# Altium PCB ControllerBoardExp.PcbDoc (part 1 of 4) (continued)
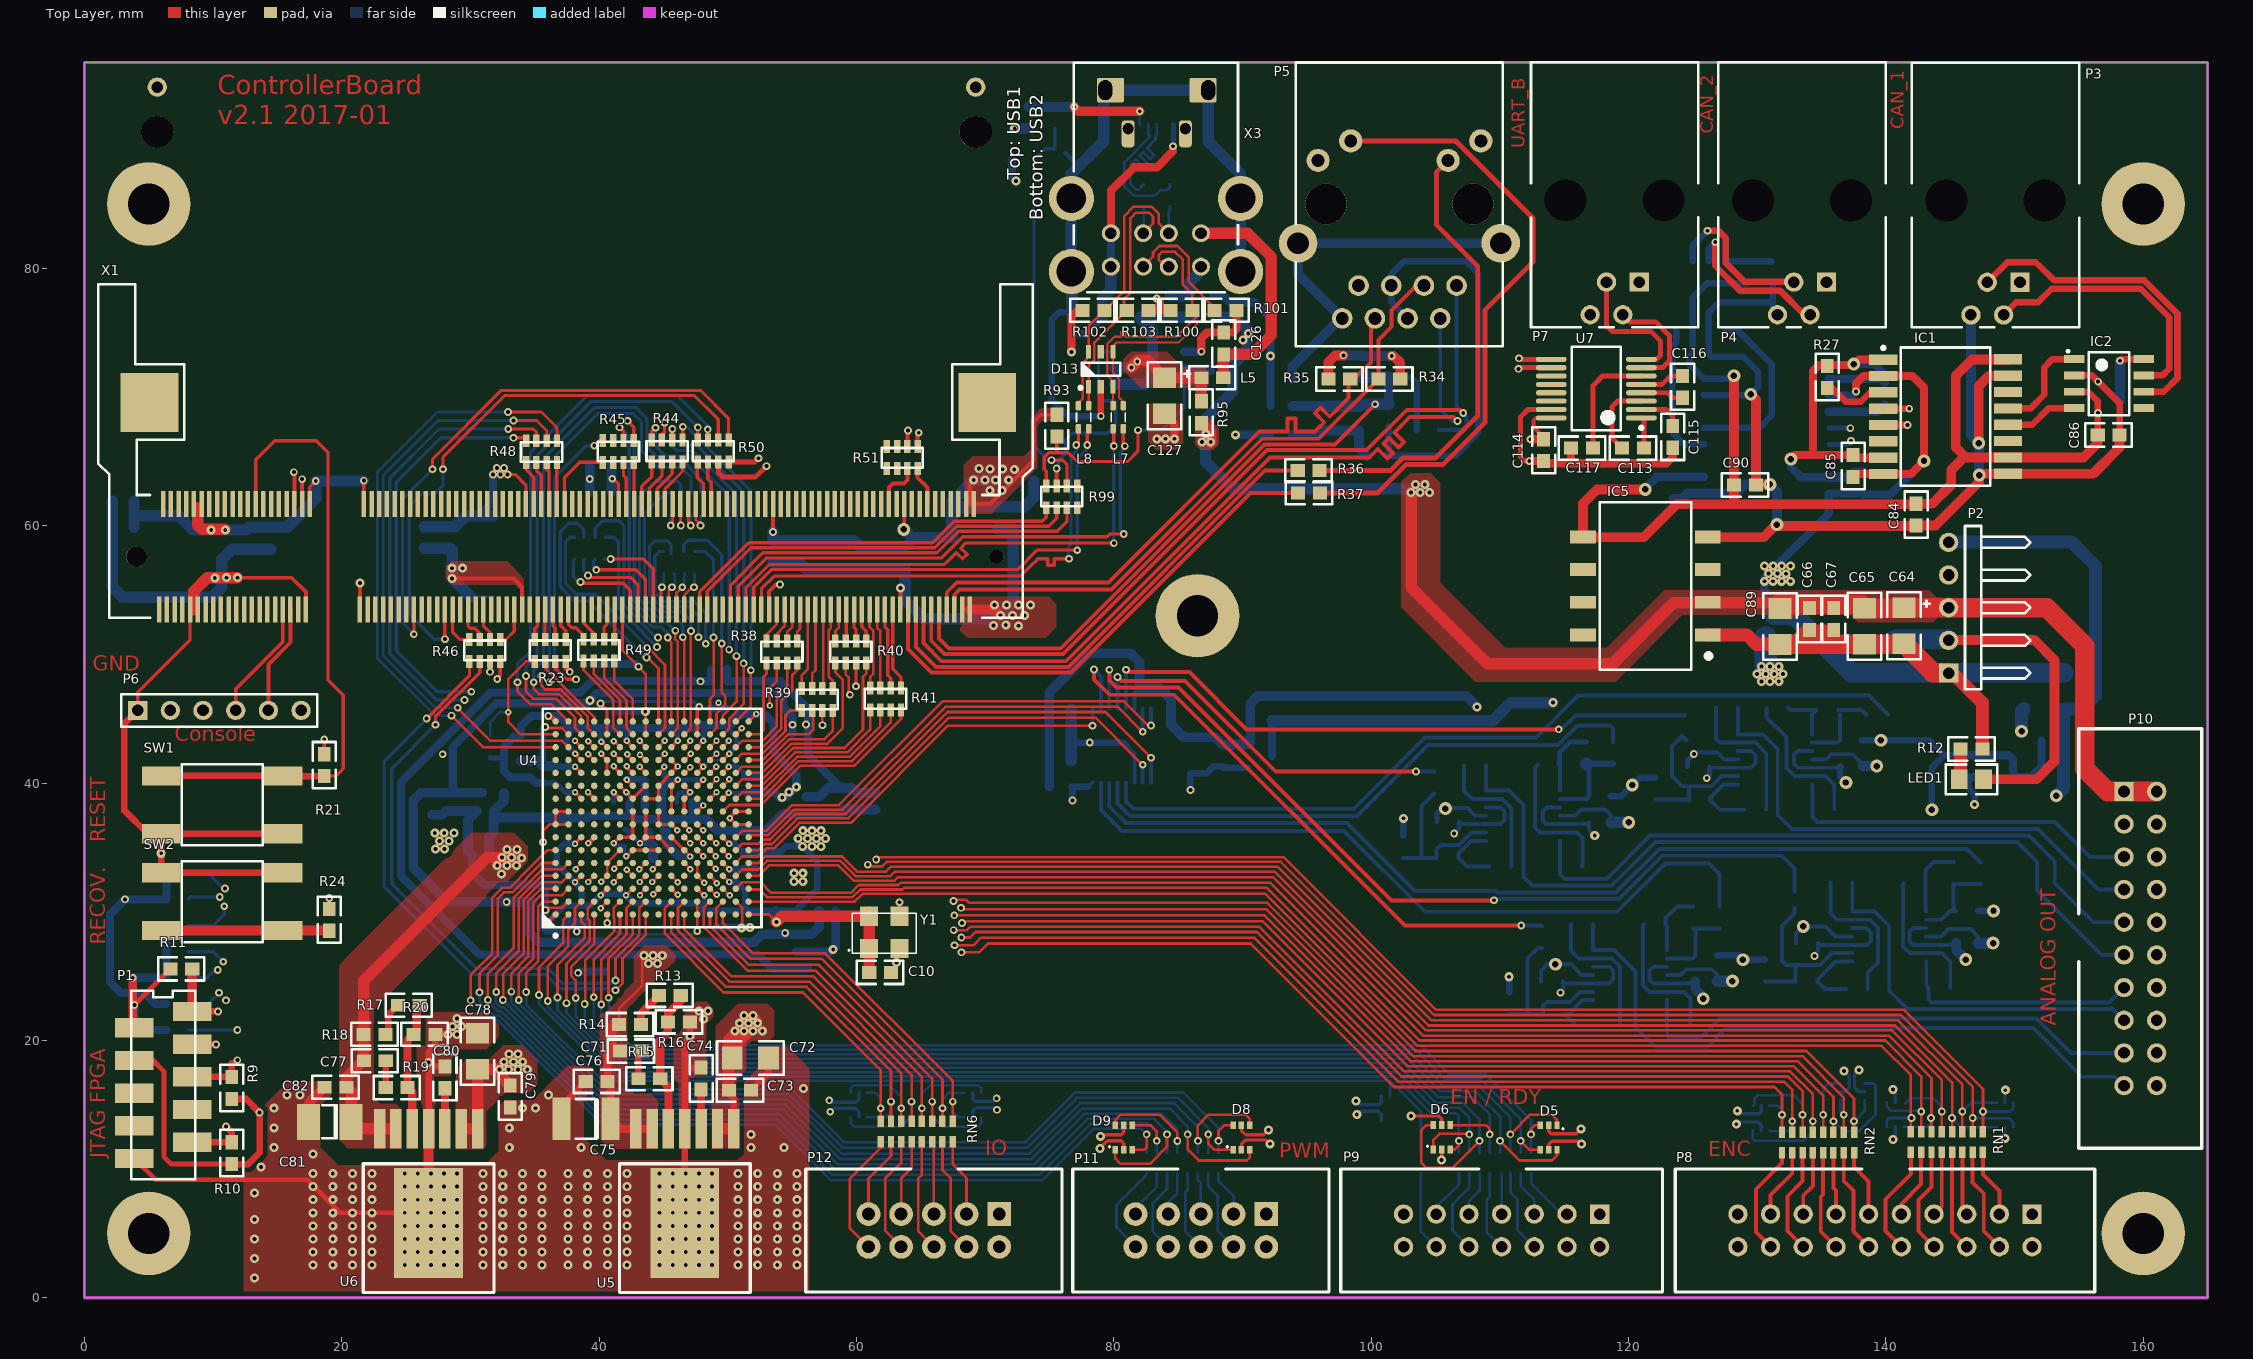
[diagram p0: Top Layer view]
## Components (designator, comment, footprint, x,y, rotation, side; value= is the part's Value field where it differs from the comment) (continued)
D2 "QSBT40-7-F" SOT363 149.25,14.199 r0 bottom
D3 "QSBT40-7-F" SOT363 130.302,13.97 r180 bottom
D4 "QSBT40-7-F" SOT363 137.414,16.002 r270 bottom
D5 "QSBT40-7-F" SOT363 113.792,12.446 r180 top
D6 "QSBT40-7-F" SOT363 105.486,12.471 r0 top
D7 "QSBT40-7-F" SOT363 100.787,14.732 r180 bottom
D8 "QSBT40-7-F" SOT363 89.916,12.446 r0 top
D9 "QSBT40-7-F" SOT363 80.772,12.446 r0 top
D10 "QSBT40-7-F" SOT363 60.198,14.986 r180 bottom
D11 "QSBT40-7-F" SOT363 69.037,14.986 r180 bottom
D12 "TPD2EUSB30DRTR" T_TI_TPD2EUSB30DRTR 75.827,88.939 r0 bottom
D13 "RCLAMP0504S" T_SOT95P285X90-6N 78.994,72.161 r90 top
GND1 "Star GND" NetTieGND 131.039,53.01 r0 bottom net-tie
IC1 "ADuM1301ARW" T_AD_ADuM1300ARW 144.635,68.469 r0 top
IC2 "MCP2551T-I/SN" SOIC127P600X173-8N 157.35,71.044 r0 top
IC3 "ADuM1301ARW" T_AD_ADuM1300ARW 130.713,66.955 r180 bottom
IC4 "MCP2551T-I/SN" SOIC127P600X173-8N 125.61,77.836 r90 bottom
IC5 "NTE0505MC-R" T_MURATA_NTE0505MC-R 121.31,55.321 r180 top
IC6 "TPS2042BD" SOIC127P600X173-8N 82.752,71.617 r180 bottom
L1 "220R@100MHz" 0603_3D 32.614,39.243 r180 bottom
L2 "220R@100MHz" 0603_3D 92.17,71.408 r0 bottom
L3 "220R@100MHz" 0603_3D 92.17,67.065 r0 bottom
L4 "220R@100MHz" 0603_3D 92.17,69.3 r0 bottom
L5 "220R@100MHz" 0603_3D 86.801,71.492 r0 top
L6 "220R@100MHz" 0603_3D 84.404,76.171 r90 bottom
L7 "90R@100MHz" T_MURATA_DLW21HN900SQ2 80.34,68.428 r90 top
L8 "90R@100MHz" T_MURATA_DLW21HN900SQ2 77.648,68.428 r90 top
L9 "33R@100MHz" 0603_3D 76.715,74.892 r90 bottom
LED1 "LED green, Power Supply ok" 0805 145.69,40.289 r0 top
P1 "JTAG" MicroMatch_10PinSMD 8.382,22.25 r0 top
P2 "Power Supply" "Header - 1x5 - H" 144.873,48.545 r90 top
P3 "CAN1 Connector RJ10" 95009-2447 148.514,95.987 r180 top
P4 "CAN2 Connector RJ10" 95009-2447 133.477,96 r180 top
P5 "J00-0065NL" T_PULSE_J00-0065NL 110.134,95.891 r180 top
P6 "Header Console TTL232R-3V3" "Header - 1x6 - V" 4.14,45.644 r0 top
P7 "RS232 Connector RJ10" 95009-2447 118.921,96.004 r180 top
P8 "Header Encoder" "Wannenstecker 2x10 - H" 151.359,6.5 r180 top
P9 "Header Enable, Ready" "Wannenstecker 2x7 - H" 117.754,6.5 r180 top
P10 "Header AnalogOut" "Wannenstecker 2x10 - H" 158.5,39.345 r270 top
P11 "Header PWM" "WANNENSTECKER 2X5 - H" 91.846,6.5 r180 top
P12 "Header IO" "WANNENSTECKER 2X5 - H" 71.095,6.5 r180 top
R1 "1.2K" 0603 153.791,43.303 r180 bottom
R2 "10k" 0603_3D 8.077,32.995 r180 bottom
R3 "10k" 0603_3D 8.077,22.835 r180 bottom
R4 "10k" 0603_3D 8.077,30.963 r180 bottom
R5 "10k" 0603_3D 6.375,20.803 r0 bottom
R6 "10k" 0603_3D 6.375,24.867 r0 bottom
R7 "10k" 0603_3D 6.375,26.899 r0 bottom
R8 "10k" 0603_3D 8.077,28.931 r180 bottom
R9 "10k" 0603_3D 11.455,17.145 r270 top
R10 "10k" 0603_3D 11.455,12.09 r270 top
R11 "1k" 0603_3D 6.68,25.552 r0 top
R12 "560R" 0603_3D 147.5,42.648 r180 top
R13 "33k" 0603_3D 46.342,23.497 r180 top
R14 "1k" 0603_3D 43.257,21.228 r180 top
R15 "12k (11.8k)" 0603_3D 44.755,17.018 r180 top
R16 "16k" 0603_3D 45.364,21.438 r0 top
R17 "20k" 0603_3D 26.06,22.733 r180 top
R18 "1.5k" 0603_3D 23.393,20.472 r180 top
R19 "3.3k (3.32k)" 0603_3D 25.121,16.332 r180 top
R20 "43k" 0603_3D 25.578,20.472 r0 top
R21 "100k" 0603_3D 18.644,40.538 r90 top
R22 "100k" 0603_3D 31.547,43.688 r270 bottom
R23 "R Array" R_Array_CAT16-J4 35.001,49.454 r90 top
R24 "10K" 0603_3D 19.025,28.524 r90 top
R25 "NM 0R" 0603_3D 158.182,69.669 r180 bottom
R26 "0R" 0603_3D 156.496,71.96 r0 bottom
R27 "100K" 0603_3D 135.442,70.706 r90 top
R28 "NM 0R" 0603_3D 129.307,80.542 r270 bottom
R29 "0R" 0603_3D 131.203,78.849 r90 bottom
R30 "100K" 0603_3D 139.909,69.41 r90 bottom
R31 "0R" 0603_3D 99.661,65.425 r0 bottom
R32 "50R" 0603_3D 103.55,67.421 r0 bottom
R33 "50R" 0603_3D 105.251,69.478 r180 bottom
R34 "50R" 0603_3D 102.26,71.399 r180 top
R35 "50R" 0603_3D 98.374,71.399 r180 top
R36 "150R" 0603_3D 94.287,64.278 r0 top
R37 "150R" 0603_3D 94.323,62.554 r0 top
R38 "R Array" R_Array_CAT16-J4 53.007,49.341 r90 top
R39 "R Array" R_Array_CAT16-J4 55.751,45.633 r90 top
R40 "R Array" R_Array_CAT16-J4 58.367,49.341 r90 top
R41 "R Array" R_Array_CAT16-J4 61.059,45.684 r90 top
R42 "R Array" R_Array_CAT16-J4 37.998,59.106 r270 bottom
R43 "R Array" R_Array_CAT16-J4 45.009,57.988 r270 bottom
R44 "R Array" R_Array_CAT16-J4 46.482,66.65 r270 top
R45 "R Array" R_Array_CAT16-J4 42.697,66.624 r270 top
R46 "R Array" R_Array_CAT16-J4 29.921,49.454 r90 top
R47 "R Array" R_Array_CAT16-J4 45.542,62.535 r270 bottom
R48 "R Array" R_Array_CAT16-J4 36.728,66.599 r270 top
R49 "R Array" R_Array_CAT16-J4 38.786,49.479 r90 top
R50 "R Array" R_Array_CAT16-J4 50.063,66.65 r270 top
R51 "R Array" R_Array_CAT16-J4 64.756,66.141 r270 top
R52 "10K" 0603_3D 116.721,41.477 r90 bottom
R53 "10K" 0603_3D 136.322,45.669 r180 bottom
R54 "15k" 0603_3D 116.377,33.502 r180 bottom
R55 "15k" 0603_3D 135.982,37.967 r180 bottom
R56 "10K" 0603_3D 118.782,43.184 r270 bottom
R57 "10K" 0603_3D 140.157,45.314 r180 bottom
R58 "10K" 0603_3D 118.619,38.978 r180 bottom
R59 "10K" 0603_3D 138.128,43.321 r180 bottom
R60 "1k8" 0603_3D 114.622,41.416 r180 bottom
R61 "1k8" 0603_3D 132.436,45.822 r180 bottom
R62 "10K" 0603_3D 105.085,34.191 r0 bottom
R63 "10K" 0603_3D 124.698,38.684 r0 bottom
R64 "15k" 0603_3D 107.222,41.364 r0 bottom
R65 "15k" 0603_3D 126.799,45.84 r0 bottom
R66 "10K" 0603_3D 104.893,40.885 r270 bottom
R67 "10K" 0603_3D 124.379,45.298 r270 bottom
R68 "10K" 0603_3D 102.481,35.894 r270 bottom
R69 "10K" 0603_3D 122.09,40.401 r270 bottom
R70 "1k8" 0603_3D 109.147,33.508 r0 bottom
R71 "1k8" 0603_3D 129,37.925 r0 bottom
R72 "10K" 0603_3D 145.249,32.155 r90 bottom
R73 "10K" 0603_3D 125.012,28.706 r90 bottom
R74 "15k" 0603_3D 145.001,24.086 r180 bottom
R75 "15k" 0603_3D 124.71,21.159 r180 bottom
R76 "10K" 0603_3D 147.357,33.839 r270 bottom
R77 "10K" 0603_3D 127.058,30.408 r270 bottom
R78 "10K" 0603_3D 147.165,30.064 r180 bottom
R79 "10K" 0603_3D 126.888,26.609 r180 bottom
R80 "1k8" 0603_3D 143.082,32.231 r180 bottom
R81 "1k8" 0603_3D 122.885,29.02 r180 bottom
R82 "10K" 0603_3D 132.968,24.577 r0 bottom
R83 "10K" 0603_3D 113.358,22.024 r0 bottom
R84 "15k" 0603_3D 135.689,32.261 r0 bottom
R85 "15k" 0603_3D 115.543,29.005 r0 bottom
R86 "10K" 0603_3D 132.892,31.996 r270 bottom
R87 "10K" 0603_3D 113.291,28.894 r270 bottom
R88 "10K" 0603_3D 130.595,26.273 r270 bottom
R89 "10K" 0603_3D 110.722,23.748 r270 bottom
R90 "1k8" 0603_3D 136.888,23.992 r0 bottom
R91 "1k8" 0603_3D 117.641,21.156 r0 bottom
R92 "0R" 0603_3D 87.548,72.032 r0 bottom
R93 "10K" 0603_3D 75.57,66.92 r90 top
R94 "10K" 0603_3D 75.476,63.439 r180 bottom
R95 "0R" 0603_3D 86.801,69.664 r270 top
R96 "0R" 0603_3D 86.097,76.188 r0 bottom
R97 "560R" 0603_3D 75.418,90.871 r90 bottom
R98 "1K" 0603_3D 72.098,88.419 r0 bottom
R99 "R Array" R_Array_CAT16-J4 74.754,61.395 r90 top
R100 "15K" 0603_3D 84.404,76.733 r0 top
R101 "15K" 0603_3D 89.535,76.733 r180 top
R102 "15K" 0603_3D 77.572,76.733 r0 top
R103 "15K" 0603_3D 82.702,76.733 r180 top
R104 "0R" 0603_3D 82.321,86.511 r270 bottom
R105 "0R" 0603_3D 84.353,86.511 r270 bottom
R106 "0R" 0603_3D 73.379,92.565 r270 bottom
RN1 "742C163470JP" 742C163470JP 147.541,12.893 r270 top
RN2 "742C163470JP" 742C163470JP 137.523,12.875 r270 top
RN3 "742C163470JP" 742C163470JP 106.817,11.288 r270 bottom
RN4 "742C163470JP" 742C163470JP 98.274,11.269 r270 bottom
RN5 "742C163470JP" 742C163470JP 82.535,11.273 r270 bottom
RN6 "742C163470JP" 742C163470JP 67.483,13.713 r270 top
SW1 "TD-03XG" T_WMF_TD-03XG 10.719,38.303 r0 top
SW2 "TD-03XG" T_WMF_TD-03XG 10.719,30.786 r0 top
U1 "AD5668BRUZ-1" TSSOP16-W 80.618,42.919 r90 bottom
U2 "AD1582ARTZ-R2" SOT23 91.337,42.106 r0 bottom
U3 "ADR1581" SOT23 148.969,39.537 r270 bottom
U4 "EP4CE22F17C8" FBGA256 44.12,37.287 r90 top
U5 "LMZ10503" TZA07A 46.66,5.817 r180 top
U6 "LMZ10503" TZA07A 26.746,5.817 r180 top
U7 "MAX3232CDB" SSOP16_M_thinPins 117.494,70.653 r180 top
U8 "TL084CPWR" TSOP65P640X120-14N 111.799,37.461 r180 bottom
U9 "TL084CPWR" TSOP65P640X120-14N 131.393,41.836 r180 bottom
U10 "TL084CPWR" TSOP65P640X120-14N 140.26,28.079 r180 bottom
U11 "TL084CPWR" TSOP65P640X120-14N 120.123,25.075 r180 bottom
X1 "CON-Tyco-1473005-1-200-0.6mm" T_Tyco_1473005-1 5.814,53.482 r90 top
X3 "896-43-008-90-000000" T_MMMC_896-43-008-90-000000 90.526,95.86 r180 top
X4 "CON-Molex-47589-0001-5-0.65" T_MOLEX_47589-0001 83.337,93.853 r270 bottom
Y1 "Oscillator50MHz, TXC  7C-50.000MBA-T" OSC_50MHz_TXC 60.96,27.138 r0 top

## Footprints (in the part's own frame and the unit in brackets; to place one, negate y for a bottom-side part, rotate by r counter-clockwise, add the part's x,y. Pads: shape width x height; smd on the part's side, far side on the other; paste and mask are expansions set on the pad)
0402_3D [mm] "SMD Chip 040 x 020 mil or 1.0 x 0.5 mm"
  rect 0.9x0.7 smd: 1(-0.65,0) 2(0.65,0)
  body extent -0.56,-0.36 0.56,0.36, height 0.6
0603 [mm] "SMD Chip 0603"
  rect 1.1x1 smd: 1(0,0) 2(1.7,0)
  silkscreen extent -0.95,-0.9 2.65,0.9, body extent -0.13,-0.51 1.78,0.51, height 0.6
0603_3D [mm] "SMD Chip 0603"
  rect 1.1x1 smd: 1(0,0) 2(1.7,0)
  silkscreen extent -0.95,-0.9 2.65,0.9, body extent -0.13,-0.51 1.78,0.51, height 0.6
742C163470JP [mm]
  rect 0.9x0.5 smd: 1(0,0) 2(0,-0.8) 3(0,-1.6) 4(0,-2.4) 5(0,-3.2) 6(0,-4) 7(0,-4.8) 8(0,-5.6) 9(1.6,-5.6) 10(1.6,-4.8) 11(1.6,-4) 12(1.6,-3.2) 13(1.6,-2.4) 14(1.6,-1.6) 15(1.6,-0.8) 16(1.6,0)
0805 [mm] "SMD Chip 0805"
  rect 1.3x1.5 smd: 1(0,0) 2(1.9,0)
  silkscreen extent -1.05,-1.15 2.95,1.15
0805_3D [mm] "SMD Chip 0805"
  rect 1.3x1.5 smd: 1(0,0) 2(1.9,0)
  silkscreen extent -1.05,-1.15 2.95,1.15, body extent -0.15,-0.64 2.08,0.64, height 1.25
1206 [mm] "SMD Chip 1206"
  rect 1.6x1.8 smd: 1(0,0) 2(2.8,0)
  silkscreen extent -1.2,-1.3 4,1.3
1206_Pol [mm] "SMD Chip 1206"
  rect 1.6x1.8 smd: 1(0,0) 2(2.8,0)
  silkscreen extent -1.2,-1.3 4,1.98
1812_Pol [mm] "Chip Capacitor, Body 4.5x3.2mm, IPC High Density"
  rect 1.4x3.3 smd: 1(-1.9,0) 2(1.9,0)
  silkscreen extent -0.8,-1.55 0.8,1.55, body extent -2.4,-1.7 2.4,1.7, height 1.4
95009-2447 [mm] "Connector; PCB Jack, Thru-Hole; 1-Port, 4 Positions, 4 Loaded; Unshielded without Lightpipes; Right Angle"
  rect 1.5x1.5 hole 0.9: 1(-1.905,17.07)
  round 1.5 hole 0.9: 2(-0.635,19.61) 3(0.635,17.07) 4(1.905,19.61)
  round 2.95 hole 3.25 unplated: MH1(-3.81,10.72) MH2(3.81,10.72)
  silkscreen extent -6.5,0 6.5,20.57
CC-Type-B-3528 [mm] "Chip Capacitor; Body 3.5 x 2.8 mm (LxW typ)"
  rect 1.8x2.8 smd: 1(-1.65,0) 2(1.65,0)
  silkscreen extent -0.55,-1.3 0.6,1.28
ChipC_7343-40 [mm]
  rect 2.75x4.3 smd: 1(0,0) 2(6.3,0)
  silkscreen extent 1.75,-2.17 4.55,2.12, body extent -0.51,-2.13 6.68,2.16, height 4
FBGA256 [mm] "256-Ball FineLine Ball Grid Array (FBGA256) - Option 1"
  round 0.5 smd: A1(-7.5,7.5) A2(-6.5,7.5) A3(-5.5,7.5) A4(-4.5,7.5) A5(-3.5,7.5) A6(-2.5,7.5) A7(-1.5,7.5) A8(-0.5,7.5) A9(0.5,7.5) A10(1.5,7.5) A11(2.5,7.5) A12(3.5,7.5) A13(4.5,7.5) A14(5.5,7.5) A15(6.5,7.5) A16(7.5,7.5) B1(-7.5,6.5) B2(-6.5,6.5) B3(-5.5,6.5) B4(-4.5,6.5) B5(-3.5,6.5) B6(-2.5,6.5) B7(-1.5,6.5) B8(-0.5,6.5) B9(0.5,6.5) B10(1.5,6.5) B11(2.5,6.5) B12(3.5,6.5) B13(4.5,6.5) B14(5.5,6.5) B15(6.5,6.5) B16(7.5,6.5) C1(-7.5,5.5) C2(-6.5,5.5) C3(-5.5,5.5) C4(-4.5,5.5) C5(-3.5,5.5) C6(-2.5,5.5) C7(-1.5,5.5) C8(-0.5,5.5) C9(0.5,5.5) C10(1.5,5.5) C11(2.5,5.5) C12(3.5,5.5) C13(4.5,5.5) C14(5.5,5.5) C15(6.5,5.5) C16(7.5,5.5) D1(-7.5,4.5) D2(-6.5,4.5) D3(-5.5,4.5) D4(-4.5,4.5) D5(-3.5,4.5) D6(-2.5,4.5) D7(-1.5,4.5) D8(-0.5,4.5) D9(0.5,4.5) D10(1.5,4.5) D11(2.5,4.5) D12(3.5,4.5) D13(4.5,4.5) D14(5.5,4.5) D15(6.5,4.5) D16(7.5,4.5) E1(-7.5,3.5) E2(-6.5,3.5) E3(-5.5,3.5) E4(-4.5,3.5) E5(-3.5,3.5) E6(-2.5,3.5) E7(-1.5,3.5) E8(-0.5,3.5) E9(0.5,3.5) E10(1.5,3.5) E11(2.5,3.5) E12(3.5,3.5) E13(4.5,3.5) E14(5.5,3.5) E15(6.5,3.5) E16(7.5,3.5) F1(-7.5,2.5) F2(-6.5,2.5) F3(-5.5,2.5) F4(-4.5,2.5) F5(-3.5,2.5) F6(-2.5,2.5) F7(-1.5,2.5) F8(-0.5,2.5) F9(0.5,2.5) F10(1.5,2.5) F11(2.5,2.5) F12(3.5,2.5) F13(4.5,2.5) F14(5.5,2.5) F15(6.5,2.5) F16(7.5,2.5) G1(-7.5,1.5) G2(-6.5,1.5) G3(-5.5,1.5) G4(-4.5,1.5) G5(-3.5,1.5) G6(-2.5,1.5) G7(-1.5,1.5) G8(-0.5,1.5) G9(0.5,1.5) G10(1.5,1.5) G11(2.5,1.5) G12(3.5,1.5) G13(4.5,1.5) G14(5.5,1.5) G15(6.5,1.5) G16(7.5,1.5) H1(-7.5,0.5) H2(-6.5,0.5) H3(-5.5,0.5) H4(-4.5,0.5) H5(-3.5,0.5) H6(-2.5,0.5) H7(-1.5,0.5) H8(-0.5,0.5) H9(0.5,0.5) H10(1.5,0.5) H11(2.5,0.5) H12(3.5,0.5) H13(4.5,0.5) H14(5.5,0.5) H15(6.5,0.5) H16(7.5,0.5) J1(-7.5,-0.5) J2(-6.5,-0.5) J3(-5.5,-0.5) J4(-4.5,-0.5) J5(-3.5,-0.5) J6(-2.5,-0.5) J7(-1.5,-0.5) J8(-0.5,-0.5) J9(0.5,-0.5) J10(1.5,-0.5) J11(2.5,-0.5) J12(3.5,-0.5) J13(4.5,-0.5) J14(5.5,-0.5) J15(6.5,-0.5) J16(7.5,-0.5) K1(-7.5,-1.5) K2(-6.5,-1.5) K3(-5.5,-1.5) K4(-4.5,-1.5) K5(-3.5,-1.5) K6(-2.5,-1.5) K7(-1.5,-1.5) K8(-0.5,-1.5) K9(0.5,-1.5) K10(1.5,-1.5) K11(2.5,-1.5) K12(3.5,-1.5) K13(4.5,-1.5) K14(5.5,-1.5) K15(6.5,-1.5) K16(7.5,-1.5) L1(-7.5,-2.5) L2(-6.5,-2.5) L3(-5.5,-2.5) L4(-4.5,-2.5) L5(-3.5,-2.5) L6(-2.5,-2.5) L7(-1.5,-2.5) L8(-0.5,-2.5) L9(0.5,-2.5) L10(1.5,-2.5) L11(2.5,-2.5) L12(3.5,-2.5) L13(4.5,-2.5) L14(5.5,-2.5) L15(6.5,-2.5) L16(7.5,-2.5) M1(-7.5,-3.5) M2(-6.5,-3.5) M3(-5.5,-3.5) M4(-4.5,-3.5) M5(-3.5,-3.5) M6(-2.5,-3.5) M7(-1.5,-3.5) M8(-0.5,-3.5) M9(0.5,-3.5) M10(1.5,-3.5) M11(2.5,-3.5) M12(3.5,-3.5) M13(4.5,-3.5) M14(5.5,-3.5) M15(6.5,-3.5) M16(7.5,-3.5) N1(-7.5,-4.5) N2(-6.5,-4.5) N3(-5.5,-4.5) N4(-4.5,-4.5) N5(-3.5,-4.5) N6(-2.5,-4.5) N7(-1.5,-4.5) N8(-0.5,-4.5) N9(0.5,-4.5) N10(1.5,-4.5) N11(2.5,-4.5) N12(3.5,-4.5) N13(4.5,-4.5) N14(5.5,-4.5) N15(6.5,-4.5) N16(7.5,-4.5) P1(-7.5,-5.5) P2(-6.5,-5.5) P3(-5.5,-5.5) P4(-4.5,-5.5) P5(-3.5,-5.5) P6(-2.5,-5.5) P7(-1.5,-5.5) P8(-0.5,-5.5) P9(0.5,-5.5) P10(1.5,-5.5) P11(2.5,-5.5) P12(3.5,-5.5) P13(4.5,-5.5) P14(5.5,-5.5) P15(6.5,-5.5) P16(7.5,-5.5) R1(-7.5,-6.5) R2(-6.5,-6.5) R3(-5.5,-6.5) R4(-4.5,-6.5) R5(-3.5,-6.5) R6(-2.5,-6.5) R7(-1.5,-6.5) R8(-0.5,-6.5) R9(0.5,-6.5) R10(1.5,-6.5) R11(2.5,-6.5) R12(3.5,-6.5) R13(4.5,-6.5) R14(5.5,-6.5) R15(6.5,-6.5) R16(7.5,-6.5) T1(-7.5,-7.5) T2(-6.5,-7.5) T3(-5.5,-7.5) T4(-4.5,-7.5) T5(-3.5,-7.5) T6(-2.5,-7.5) T7(-1.5,-7.5) T8(-0.5,-7.5) T9(0.5,-7.5) T10(1.5,-7.5) T11(2.5,-7.5) T12(3.5,-7.5) T13(4.5,-7.5) T14(5.5,-7.5) T15(6.5,-7.5) T16(7.5,-7.5)
  silkscreen extent -9.27,-8.5 8.5,8.5, body extent -8.5,-8.5 8.5,8.5, height 2.2
"Header - 1x5 - H" [mm] "Connector; Header; 5 Position; Right Angle"
  rect 1.5x1.5 hole 0.9: 1(0,0)
  round 1.5 hole 0.9: 2(2.54,0) 3(5.08,0) 4(7.62,0) 5(10.16,0)
  silkscreen extent -1.27,-6.35 11.43,-1.27
"Header - 1x6 - V" [mm] "Connector; Header; 6 Position"
  rect 1.5x1.5 hole 0.9: 1(0,0)
  round 1.5 hole 0.9: 2(2.54,0) 3(5.08,0) 4(7.62,0) 5(10.16,0) 6(12.7,0)
  silkscreen extent -1.27,-1.27 13.97,1.27
MicroMatch_10PinSMD [mm]
  rect 3x1.5 smd: 1(0,0) 2(-4.5,-1.27) 3(0,-2.54) 4(-4.5,-3.81) 5(0,-5.08) 6(-4.5,-6.35) 7(0,-7.62) 8(-4.5,-8.89) 9(0,-10.16) 10(-4.5,-11.43)
  silkscreen extent -4.75,-13.03 0.25,1.6, body extent -4.75,-13.03 0.25,1.6, height 5.3
NetTieGND [mm]
  rect 3.5x2.5 smd: 1(0,0) 2(-0.483,-0.66) 3(-0.483,0.533)
OSC_50MHz_TXC [mm]
  rect 1.4x1.5 smd: 1(0,0) 2(2.4,0) 3(2.4,2.5) 4(0,2.5)
  silkscreen extent -1.54,-0.35 3.7,2.75
R_Array_CAT16-J4 [mm]
  rect 1x0.5 smd: 1A(0,0) 1B(0,-0.8) 1C(0,-1.6) 1D(0,-2.4) 2A(1.7,0) 2B(1.7,-0.8) 2C(1.7,-1.6) 2D(1.7,-2.4)
  silkscreen extent 0.1,-2.8 1.63,0.4, body extent 0.1,-2.8 1.63,0.4, height 0.5
SOIC127P600X173-8N [mm]
  rect 1.6x0.6 smd: 1(-2.7,1.905) 2(-2.7,0.635) 3(-2.7,-0.635) 4(-2.7,-1.905) 5(2.7,-1.905) 6(2.7,-0.635) 7(2.7,0.635) 8(2.7,1.905)
  silkscreen extent -3.29,-2.45 1.58,2.61, body extent -2,-2.47 2,2.47, height 1.75
SOT23 [mm] "SOT23, 3-Leads, Body 2.90x2.00mm, Pitch 0.85mm, IPC Medium Density"
  rect 1.65x0.7 smd: 1(-0.925,0.9) 2(-0.925,-0.9)
  rect 1.65x0.6 smd: 3(0.975,0)
  silkscreen extent 0.35,-1.55 0.75,1.55, body extent -0.95,-1.6 0.95,1.6, height 1.3
SOT363 [mm]
  rect 0.42x0.6 smd: 1(-0.65,-0.95) 2(0,-0.95) 3(0.65,-0.95) 4(0.65,0.95) 5(0,0.95) 6(-0.65,0.95)
  silkscreen extent -1.11,-0.71 -1.11,-0.69
SSOP16_M_thinPins [mm] "SOP, 16-Leads, Body 6.2x5.3mm, Pitch 0.65mm, IPC Low Density"
  oval 2.4x0.4 smd: 1(-3.5,2.275) 2(-3.5,1.625) 3(-3.5,0.975) 4(-3.5,0.325) 5(-3.5,-0.325) 6(-3.5,-0.975) 7(-3.5,-1.625) 8(-3.5,-2.275) 9(3.5,-2.275) 10(3.5,-1.625) 11(3.5,-0.975) 12(3.5,-0.325) 13(3.5,0.325) 14(3.5,0.975) 15(3.5,1.625) 16(3.5,2.275)
  silkscreen extent -3.63,-3.25 1.9,3.25, body extent -2.7,-3.25 2.7,3.25, height 1.99
T_AD_ADuM1300ARW [mm] "SOIC _W 16 pin"
  rect 2.2x0.8 smd: 1(-4.85,4.435) 2(-4.85,3.165) 3(-4.85,1.895) 4(-4.85,0.625) 5(-4.85,-0.645) 6(-4.85,-1.915) 7(-4.85,-3.185) 8(-4.85,-4.455) 9(4.85,-4.435) 10(4.85,-3.165) 11(4.85,-1.895) 12(4.85,-0.625) 13(4.85,0.645) 14(4.85,1.915) 15(4.85,3.185) 16(4.85,4.455)
  silkscreen extent -4.95,-5.38 3.48,5.47, body extent -3.8,-5.25 3.8,5.25, height 2.65
T_MMMC_896-43-008-90-000000 [mm] "USB 2.0 double row, Type A"
  round 1.4 hole 0.9: L1(3.75,13.13) L2(6.25,13.13) L3(8.25,13.13) L4(10.75,13.13) U1(3.75,15.73) U2(6.25,15.73) U3(8.25,15.73) U4(10.75,15.73)
  round 3.5 hole 2.3: S1(0.68,10.43) S2(0.68,16.11) S3(13.82,16.11) S4(13.82,10.43)
  silkscreen extent 0.87,-0.12 13.63,17.73, body extent -0.45,0 14.95,17.53, height 16.17
T_MOLEX_47589-0001 [mm] "Micro USB Connector"
  rrect12% 1.35x0.4 smd: 1(2.675,1.3) 2(2.675,0.65) 3(2.675,0) 4(2.675,-0.65) 5(2.675,-1.3)
  rrect12% 1.9x0.9 smd: S1(0,2.963) S2(0,-2.963)
  rrect12% 1.9x2.1 hole 1.07 slot 1.55 at 0 deg copper offset 0,-0.4: S1(0,4)
  rrect12% 1.9x2.1 hole 1.07 slot 1.55 at 0 deg copper offset 0,0.4: S2(0,-4)
  rrect12% 1.9x1.8 smd: S3(0,1.15) S4(0,-1.15)
  rrect50% 2.1x1 hole 0.8 slot 0.85 at 0 deg copper offset 0.4,0: ""(3,-2.225) ""(3,2.225)
  silkscreen extent -1.45,-3.91 3.01,3.91, body extent -2.75,-4.32 3.15,4.33, height 2.79
T_MURATA_DLW21HN900SQ2 [mm] "Common Mode Choke"
  rrect50% 0.75x0.42 smd: 1(-0.9,0.4) 2(-0.9,-0.4) 3(0.9,-0.4) 4(0.9,0.4)
  silkscreen extent -0.34,-0.55 0.34,0.55, body extent -1,-0.6 1,0.6, height 1.2
T_MURATA_NTE0505MC-R [mm] "Isolated DC/DC converter"
  rect 2x1 smd: 1(-4.85,3.81) 3(-4.85,1.27) 5(-4.85,-1.27) 7(-4.85,-3.81) 8(4.85,-3.81) 10(4.85,-1.27) 12(4.85,1.27) 14(4.85,3.81)
  silkscreen extent -5.03,-6.51 3.56,6.51, body extent -3.85,-6.35 3.85,6.35, height 6.6
T_PULSE_J00-0065NL [mm] "RJ45 Connector"
  round 1.6 hole 1: 1(3.495,17.24) 2(4.765,19.78) 3(6.035,17.24) 4(7.305,19.78) 5(8.575,17.24) 6(9.845,19.78) 7(11.115,17.24) 8(12.385,19.78)
  round 1.8 hole 1: 9(1.615,5.99) 10(4.155,7.51) 11(11.725,5.99) 12(14.265,7.51)
  round 3 hole 1.7: S1(15.815,13.94) S2(0.065,13.94)
  round 3.2 hole 3.2: ""(2.225,10.89) ""(13.655,10.89)
  silkscreen extent -0.1,-0.1 15.98,21.94, body extent 0,0 15.88,21.84, height 13.32
T_SOT95P285X90-6N [mm]
  rect 1.05x0.4 smd: 1(-1.35,0.95) 3(-1.35,-0.95) 4(1.35,-0.95) 6(1.35,0.95)
  rect 1.05x0.5 smd: 2(-1.35,0) 5(1.35,0)
  silkscreen extent -1.57,-1.5 0.5,1.7, body extent -0.87,-1.54 0.87,1.54, height 1.45
T_TI_TPD2EUSB30DRTR [mm] "2 CHANNEL PROTECTION SOLUTION FOR SUPER-SPEED"
  rect 0.3x0.3 smd: 1(-0.425,0.35) 2(-0.425,-0.35) 3(0.425,0)
  silkscreen extent -0.88,0.3 -0.78,0.4, body extent -0.43,-0.5 0.43,0.5, height 0.5
T_Tyco_1473005-1 [mm] "SODIMM Connector"
  rect 2x0.35 smd: 1(0,0) 2(8.2,-0.3) 3(0,-0.6) 4(8.2,-0.9) 5(0,-1.2) 6(8.2,-1.5) 7(0,-1.8) 8(8.2,-2.1) 9(0,-2.4) 10(8.2,-2.7) 11(0,-3) 12(8.2,-3.3) 13(0,-3.6) 14(8.2,-3.9) 15(0,-4.2) 16(8.2,-4.5) 17(0,-4.8) 18(8.2,-5.1) 19(0,-5.4) 20(8.2,-5.7) 21(0,-6) 22(8.2,-6.3) 23(0,-6.6) 24(8.2,-6.9) 25(0,-7.2) 26(8.2,-7.5) 27(0,-7.8) 28(8.2,-8.1) 29(0,-8.4) 30(8.2,-8.7) 31(0,-9) 32(8.2,-9.3) 33(0,-9.6) 34(8.2,-9.9) 35(0,-10.2) 36(8.2,-10.5) 37(0,-10.8) 38(8.2,-11.1) 39(0,-11.4) 40(8.2,-11.7) 41(0,-15.6) 42(8.2,-15.9) 43(0,-16.2) 44(8.2,-16.5) 45(0,-16.8) 46(8.2,-17.1) 47(0,-17.4) 48(8.2,-17.7) 49(0,-18) 50(8.2,-18.3) 51(0,-18.6) 52(8.2,-18.9) 53(0,-19.2) 54(8.2,-19.5) 55(0,-19.8) 56(8.2,-20.1) 57(0,-20.4) 58(8.2,-20.7) 59(0,-21) 60(8.2,-21.3) 61(0,-21.6) 62(8.2,-21.9) 63(0,-22.2) 64(8.2,-22.5) 65(0,-22.8) 66(8.2,-23.1) 67(0,-23.4) 68(8.2,-23.7) 69(0,-24) 70(8.2,-24.3) 71(0,-24.6) 72(8.2,-24.9) 73(0,-25.2) 74(8.2,-25.5) 75(0,-25.8) 76(8.2,-26.1) 77(0,-26.4) 78(8.2,-26.7) 79(0,-27) 80(8.2,-27.3) 81(0,-27.6) 82(8.2,-27.9) 83(0,-28.2) 84(8.2,-28.5) 85(0,-28.8) 86(8.2,-29.1) 87(0,-29.4) 88(8.2,-29.7) 89(0,-30) 90(8.2,-30.3) 91(0,-30.6) 92(8.2,-30.9) 93(0,-31.2) 94(8.2,-31.5) 95(0,-31.8) 96(8.2,-32.1) 97(0,-32.4) 98(8.2,-32.7) 99(0,-33) 100(8.2,-33.3) 101(0,-33.6) 102(8.2,-33.9) 103(0,-34.2) 104(8.2,-34.5) 105(0,-34.8) 106(8.2,-35.1) 107(0,-35.4) 108(8.2,-35.7) 109(0,-36) 110(8.2,-36.3) 111(0,-36.6) 112(8.2,-36.9) 113(0,-37.2) 114(8.2,-37.5) 115(0,-37.8) 116(8.2,-38.1) 117(0,-38.4) 118(8.2,-38.7) 119(0,-39) 120(8.2,-39.3) 121(0,-39.6) 122(8.2,-39.9) 123(0,-40.2) 124(8.2,-40.5) 125(0,-40.8) 126(8.2,-41.1) 127(0,-41.4) 128(8.2,-41.7) 129(0,-42) 130(8.2,-42.3) 131(0,-42.6) 132(8.2,-42.9) 133(0,-43.2) 134(8.2,-43.5) 135(0,-43.8) 136(8.2,-44.1) 137(0,-44.4) 138(8.2,-44.7) 139(0,-45) 140(8.2,-45.3) 141(0,-45.6) 142(8.2,-45.9) 143(0,-46.2) 144(8.2,-46.5) 145(0,-46.8) 146(8.2,-47.1) 147(0,-47.4) 148(8.2,-47.7) 149(0,-48) 150(8.2,-48.3) 151(0,-48.6) 152(8.2,-48.9) 153(0,-49.2) 154(8.2,-49.5) 155(0,-49.8) 156(8.2,-50.1) 157(0,-50.4) 158(8.2,-50.7) 159(0,-51) 160(8.2,-51.3) 161(0,-51.6) 162(8.2,-51.9) 163(0,-52.2) 164(8.2,-52.5) 165(0,-52.8) 166(8.2,-53.1) 167(0,-53.4) 168(8.2,-53.7) 169(0,-54) 170(8.2,-54.3) 171(0,-54.6) 172(8.2,-54.9) 173(0,-55.2) 174(8.2,-55.5) 175(0,-55.8) 176(8.2,-56.1) 177(0,-56.4) 178(8.2,-56.7) 179(0,-57) 180(8.2,-57.3) 181(0,-57.6) 182(8.2,-57.9) 183(0,-58.2) 184(8.2,-58.5) 185(0,-58.8) 186(8.2,-59.1) 187(0,-59.4) 188(8.2,-59.7) 189(0,-60) 190(8.2,-60.3) 191(0,-60.6) 192(8.2,-60.9) 193(0,-61.2) 194(8.2,-61.5) 195(0,-61.8) 196(8.2,-62.1) 197(0,-62.4) 198(8.2,-62.7) 199(0,-63) 200(8.2,-63.3)
  round 1.6 hole 1.6 unplated: ""(4.1,1.75)
  round 1.1 hole 1.1 unplated: ""(4.1,-65.05)
  rect 4.6x4.5 smd: ""(16.1,0.75) ""(16.1,-64.35)
  round 2.5 hole 2.5 unplated: ""(37.1,0.15) ""(37.1,-63.45)
  round 1.5 hole 0.9: ""(40.6,0.15) ""(40.6,-63.45)
  silkscreen extent -0.64,-67.9 25.27,4.75, body extent -0.9,-67.4 25.15,4.1, height 5.22
T_WMF_TD-03XG [mm] "Push Button"
  rect 3x1.5 smd: 1(4.75,2.25) 2(-4.75,2.25) 3(4.75,-2.25) 4(-4.75,-2.25)
  silkscreen extent -3.15,-3.15 3.15,3.15, body extent -5.15,-3 5.15,3, height 5.1
TSOP65P640X120-14N [mm] "TSOP, 14-Leads, Body 5.00x4.40mm, Pitch 0.65mm, IPC Medium Density"
  oval 1.55x0.35 smd: 1(-2.875,1.95) 2(-2.875,1.3) 3(-2.875,0.65) 4(-2.875,0) 5(-2.875,-0.65) 6(-2.875,-1.3) 7(-2.875,-1.95) 8(2.875,-1.95) 9(2.875,-1.3) 10(2.875,-0.65) 11(2.875,0) 12(2.875,0.65) 13(2.875,1.3) 14(2.875,1.95)
  silkscreen extent -3,-2.55 1.7,2.8, body extent -2.25,-2.55 2.25,2.55, height 1.2
TSSOP16-W [mm]
  oval 1.6x0.35 smd: 1(-2.875,2.275) 2(-2.875,1.625) 3(-2.875,0.975) 4(-2.875,0.325) 5(-2.875,-0.325) 6(-2.875,-0.975) 7(-2.875,-1.625) 8(-2.875,-2.275) 9(2.875,-2.275) 10(2.875,-1.625) 11(2.875,-0.975) 12(2.875,-0.325) 13(2.875,0.325) 14(2.875,0.975) 15(2.875,1.625) 16(2.875,2.275)
  silkscreen extent -3,-2.55 1.68,3.13, body extent -2.25,-2.55 2.25,2.55, height 1.2
TZA07A [mm]
  rect 0.89x3.06 smd: 1(-3.81,-7.305) 2(-2.54,-7.305) 3(-1.27,-7.305) 4(0,-7.305) 5(1.27,-7.305) 6(2.54,-7.305) 7(3.81,-7.305)
  rect 5.35x8.54 smd paste+0: EP(0,0)
  silkscreen extent -5.08,-4.6 5.08,5.4, body extent -5.08,-4.6 5.08,5.4, height 4.6
"WANNENSTECKER 2X5 - H" [mm]
  rect 1.85x1.85 hole 1: 1(0,0)
  round 1.85 hole 1: 2(0,2.54) 3(2.54,0) 4(2.54,2.54) 5(5.08,0) 6(5.08,2.54) 7(7.62,0) 8(7.62,2.54) 9(10.16,0) 10(10.16,2.54)
  silkscreen extent -4.87,-3.5 15.03,6.04, body extent -4.87,-3.52 15.02,6.02, height 9.57
"Wannenstecker 2x7 - H" [mm]
  rect 1.5x1.5 hole 0.9: 1(0,0)
  round 1.5 hole 0.9: 2(0,2.54) 3(2.54,0) 4(2.54,2.54) 5(5.08,0) 6(5.08,2.54) 7(7.62,0) 8(7.62,2.54) 9(10.16,0) 10(10.16,2.54) 11(12.7,0) 12(12.7,2.54) 13(15.24,0) 14(15.24,2.54)
  silkscreen extent -4.87,-3.5 20.11,6.04, body extent -4.87,-3.5 20.11,6.04, height 9.57
"Wannenstecker 2x10 - H" [mm]
  rect 1.5x1.5 hole 0.9: 1(0,0)
  round 1.5 hole 0.9: 2(0,2.54) 3(2.54,0) 4(2.54,2.54) 5(5.08,0) 6(5.08,2.54) 7(7.62,0) 8(7.62,2.54) 9(10.16,0) 10(10.16,2.54) 11(12.7,0) 12(12.7,2.54) 13(15.24,0) 14(15.24,2.54) 15(17.78,0) 16(17.78,2.54) 17(20.32,0) 18(20.32,2.54) 19(22.86,0) 20(22.86,2.54)
  silkscreen extent -4.87,-3.5 27.73,6.04, body extent -4.87,-3.5 27.72,6.02, height 9.57

## Part data
C1 C2 C3 C4 C5 C6 C7 C8 C9 C10 C11 C12 C13 C14 C15 C16 C17 C18 C19 C20 C21 C22 C23 C24 C25 C26 C27 C28 C29 C30 C31 C32 C33 C34 C35 C36 C37 C38 C39 C40 C41 C42 C43 C44 C45 C46 C47 C48 C49 C50 C51 C52 C53 C54 C55 C56 C57 C58 C59 C60 C61 C62 C63 C65 C66 C67 C69 C70 C71 C72 C73 C74 C76 C77 C78 C79 C80 C82 C94 C95 C99 C100 C101 C102 C103 C104 C105 C106 C107 C108 C109 C110 C111 C112 C113 C114 C115 C116 C117 C118 C119 C120 C121 C122 C123 C124 C125: library part C, "Capacitor"
C64 C68 C127 C129: library part C-TA-100uF-10V-20%-3528, "Capacitor TA 100uF 10V 20% 3528"
C75 C81 C96 C97 C98: library part C_POL, "Polarized Capacitor Positive Mark Bar"
C83 C84 C85 C86 C87 C88 C89 C90 C91 C92 C93 C126 C128: library part C-X7R-100nF-16V-10%-0603, "Capacitor Ceramic X7R 100nF 16V 10% 0603"
D12: library part D-TI-TPD2EUSB30DRTR, "2 Channel Protection for Super Speed USB3.0"
D13: library part D-Semtech-RClamp0504S-ESD-5V-+/-8KV(Contact)-+/-15KV(Air), "TVS Array low cap"
GND1: library part NetTie
IC1 IC3: library part IC-AD-ADuM1301ARW, "Digital Isolator"
IC2 IC4: library part IC-MC-MCP2551T-I/SN, "High speed CAN Transceiver"
IC5: library part IC-MUR-NTE0505MC-R, "Isolated DC/DC Converter"
IC6: library part IC-TI-TPS2042BD, "Dual High Side Switch With OC_DET 500mA/CH"
L1 L2 L3 L4 L5 L6: library part L-220R@100MHz-2A-25%-0603, "220R@100MHz 2A EMI FILTER"
L7 L8: library part L-Murata-DLW21HN900SQ2-90R@100MHz-330mA-25%, "Common Mode Choke High Speed 90R 330mA"
L9: library part L-33R@100MHz-3A-0603, "33R@100MHz 3A EMI FILTER"
LED1: library part LED, "Typical RED, GREEN, YELLOW, AMBER GaAs LED"
P1: library part AlteraJTAG, "Altera JTAG"
P2: library part "Header 1x5", "Header, 5-Pin"
P3 P4 P7: library part "Header 4", "Header, 4-Pin"
P5: library part CON-Pulse-J00-0065NL, "RJ45 Connector"
P6: library part "Header 1x6", "Header, 6-Pin"
P8 P10: library part "Header 10X2", "Header, 10-Pin, Dual row"
P9: library part "Header 2x7", "Header, 7-Pin, Dual row"
P11 P12: library part "Header 5X2", "Header, 5-Pin, Dual row"
R1 R2 R3 R4 R5 R6 R7 R8 R9 R10 R11 R12 R13 R14 R15 R16 R17 R18 R19 R20 R21 R22 R52 R53 R54 R55 R56 R57 R58 R59 R60 R61 R62 R63 R64 R65 R66 R67 R68 R69 R70 R71 R72 R73 R74 R75 R76 R77 R78 R79 R80 R81 R82 R83 R84 R85 R86 R87 R88 R89 R90 R91: library part R, "Resistor"
R23 R38 R39 R40 R41 R42 R43 R44 R45 R46 R47 R48 R49 R50 R51 R99: library part R_Array
R24: library part R-10KR-63mW-5%-0603, "Resistor 10 Kohm 63mW 5% 0603"
R25 R26 R28 R29: library part R-0R-63mW-1%-0603, "Resistor 0 ohm 63mW 1% 0603"
R27 R30: library part R-100KR-63mW-5%-0603, "Resistor 100 Kohm 63mW 5% 0603"
R31 R95 R96 R104 R105 R106: library part R-0R-100mW-JP-0603, "Resistor 0 ohm 100mW Jumper 0603"
R32 R33 R34 R35: library part R-50R-63mW-1%-0603, "Resistor 50 ohm 63mW 1% 0603"
R36 R37: library part R-150R-63mW-1%-0603, "Resistor 150 ohm 63mW 1% 0603"
R92: library part R-0R-63mW-1%-1206, "Resistor 0 ohm 63mW 1%1206 Jumper"
R93 R94: library part R-10KR-63mW-1%-0603, "Resistor 10 Kohm 63mW 1% 0603"
R97: library part R-560R-63mW-5%-0603, "Resistor 560 ohm 63mW 5% 0603"
R98: library part R-1KR-63mW-5%-0603, "Resistor 1 Kohm 63mW 5% 0603"
R100 R101 R102 R103: library part R-15KR-63mW-1%-0603, "Resistor 15 Kohm 63mW 5% 0603"
SW1 SW2: library part SW-WMF-TD-03XG, "Switch"
U4: "Cyclone IV Family FPGA, 2V Core, 153 I/O Pins, 4 PLLs, 256-Pin FBGA, Speed Grade 8, Commercial Grade"
U5 U6: "Buck Converter"
U7: library part MAX3232ECAE, "±15kV ESD-Protected, 3.0V to 5.5V, Low-Power, up to 250kbps, True RS-232 Transceiver"
U8 U9 U10 U11: "Quad OPAmp"
X1: "SODIMM Connector"
X3: library part CON-MMMC-896-43-008-90-000000, "USB 2.0 double row, Type A"
X4: "Micro USB OTG Connector"
Y1: library part Oscillator50MHz

## Free pads (board coordinates)
  round 6.5 hole 3.2: 0(5,5) 0(5,85) 0(86.5,53) 0(160,5) 0(160,85)

## Via types
v1: diameter 0.7, hole 0.3, Top Layer to Bottom Layer, 397 vias
v2: diameter 0.6, hole 0.3, Top Layer to Bottom Layer, 248 vias
v3: diameter 0.5, hole 0.2, Top Layer to Bottom Layer, 95 vias
v4: diameter 1, hole 0.5, Top Layer to Bottom Layer, 28 vias

## Nets (pads, with @x,y where several pads share a name; then routed paths per layer and width w, separated by ;. In a path a pad name is that pad's centre, name@x,y a point inside that pad or via, vN(x,y) a via of type N, cw(c..) or ccw(c..) an arc to the next point about the centre after c; other vN are vias at no path point)
AGND: C1.2 C2.2 C3.2 C4.2 C5.1 C6.2 C7.2 C8.2 C118.1 C119.1 C120.2 C121.2 C122.1 C123.1 C124.2 C125.2 GND1.3 P10.3 P10.4 P10.6 P10.8 P10.10 P10.12 P10.14 P10.16 P10.18 P10.20 U1.14 U2.2 U3.1 U8.3 U8.5 U8.10 U8.12 U9.3 U9.5 U9.10 U9.12 U10.3 U10.5 U10.10 U10.12 U11.3 U11.5 U11.10 U11.12 | length 275.3
  Mid-Layer 1 w0.305: v2(106.447,36.074) 112.375,36.074 116.269,32.181 116.269,23.237 ; v1(117.373,35.916) 124.638,35.916 126.086,37.363 v2@126.086,40.361
  Mid-Layer 1 w0.381: v2(126.076,40.383) 136.548,40.383 v4@136.655,40.383
  Mid-Layer 1 w0.508: v1(130.658,48.463) 130.658,46.273 v4@136.548,40.383 ; v4@136.601,40.329 v4(136.888,40.042) 144.286,40.042 145.999,38.329 v1(146.888,38.329) 150.139,38.329 151.663,36.805 P10.3@158.5,36.805 ; 136.872,26.281 136.872,26.476 136.888,26.492 v4@136.888,40.037
  Mid-Layer 1 w0.762: v2(106.447,36.074) 107.442,37.069 107.442,39.903 108.229,40.691 v1(108.229,45.923) ; v2(114.719,23.71) 115.191,23.237 116.269,23.237 v4(125.81,23.237) 129.737,23.237 132.781,26.281 136.872,26.281 v4(146.205,26.281)
  Mid-Layer 1 w1.016: P10.3@158.5,36.805 P10.4@161.04,36.805 P10.6@161.04,34.265 P10.8@161.04,31.725 P10.10@161.04,29.185 P10.12@161.04,26.645 P10.14@161.04,24.105 P10.16@161.04,21.565 P10.18@161.04,19.025 P10.20@161.04,16.485
  Bottom Layer w0.305: U1.14@81.593,45.794 81.593,46.988 81.828,47.224 ; v2(106.447,36.074) 106.817,36.444 C120.2@106.817,37.007 107.013,36.811 U8.10@108.924,36.811 110.047,36.811 110.364,37.128 110.364,37.789 110.042,38.111 U8.12@108.924,38.111 ; U8.3@114.674,38.111 113.648,38.111 113.363,37.825 113.363,37.046 113.598,36.811 U8.5@114.674,36.811 116.809,36.811 C118.1@116.933,36.935 116.933,36.356 v1(117.373,35.916) ; v2(114.719,23.71) 114.896,23.888 C125.2@114.896,24.591 115.062,24.425 U11.10@117.248,24.425 118.469,24.425 118.813,24.769 118.813,25.421 118.509,25.725 U11.12@117.248,25.725 ; U11.3@122.998,25.725 121.926,25.725 121.638,25.438 121.638,24.682 121.895,24.425 U11.5@122.998,24.425 125.005,24.425 C123.1@125.177,24.596 ; v4(125.81,23.237) v4@125.81,23.373 ; C121.2@126.369,41.186 U9.10@128.518,41.186 129.51,41.186 129.855,41.532 129.855,42.158 129.527,42.486 U9.12@128.518,42.486 ; U9.3@134.268,42.486 133.143,42.486 132.864,42.208 132.864,41.482 133.16,41.186 U9.5@134.268,41.186 C119.1@136.323,41.186 ; v2(134.448,26.559) 134.448,26.672 134.723,26.947 C124.2@134.723,27.556 134.851,27.429 U10.10@137.385,27.429 138.531,27.429 138.825,27.722 138.825,28.38 138.476,28.729 U10.12@137.385,28.729 ; U10.3@143.135,28.729 142.116,28.729 141.841,28.454 141.841,27.699 142.111,27.429 U10.5@143.135,27.429 145.289,27.429 C122.1@145.468,27.607
  Bottom Layer w0.381: v2(126.076,40.383) 126.083,40.383 126.289,40.588 C121.2@126.289,41.267 ; C119.1@136.323,41.186 C119.1@136.442,41.305
  Bottom Layer w0.508: 81.828,47.224 81.997,47.392 ; GND1.3@130.556,51.366 GND1.3@130.658,51.264 ; C119.1@136.442,41.305 136.442,40.488 v4(136.888,40.042) ; C8.2@146.427,40.465 146.427,39.602 146.888,39.141 v1(146.888,38.329)
  Bottom Layer w0.635: C8.2@146.427,40.465 146.43,40.462 U3.1@148.069,40.462
  Bottom Layer w0.762: C4.2@74.981,39.719 C2.2@74.981,41.725 C3.2@74.981,45.738 74.981,47.041 78.029,50.089 81.305,50.089 81.997,49.398 81.997,47.392 83.59,47.392 84.433,46.549 84.433,44.537 85.411,43.56 C7.2@85.952,43.56 87.874,43.56 C6.2@88.416,43.019 88.428,43.006 U2.2@90.412,43.006 90.6,43.195 C5.1@90.6,44.849 90.6,46.175 91.186,46.761 107.391,46.761 v1(108.229,45.923) ; C123.1@125.177,24.596 125.177,24.006 v4@125.81,23.373 ; C122.1@145.468,27.607 145.468,27.018 v4(146.205,26.281)
  Bottom Layer w1.778: v1(130.658,48.463) GND1.3@130.658,51.264
  other v1: 130.327,47.879 130.988,47.879 131.674,47.879 129.972,48.463 131.318,48.463 132.004,48.463 130.327,49.047 130.988,49.047 131.674,49.047
CAN1_H: IC2.7 P3.2 | length 20.8
  Top Layer w0.508: P3.2@149.149,76.377 150.133,77.361 151.825,77.361 152.882,78.418 159.798,78.418 162.011,76.205 162.011,72.19 161.5,71.679 IC2.7@160.05,71.679
CAN1_L: IC2.6 P3.3 | length 25.1
  Top Layer w0.508: P3.3@147.879,78.917 149.443,80.48 151.649,80.48 153.064,79.065 160.066,79.065 162.658,76.473 162.658,71.479 161.588,70.409 IC2.6@160.05,70.409
CAN1_RX: IC1.5 R50.2B | length 99.2
  Top Layer w0.381: R50.2B@49.263,64.95 49.263,64.133 49.602,63.794 52.172,63.794 v2(53.007,64.628)
  Top Layer w0.508: IC1.5@139.785,67.824 v2(141.684,67.824)
  Mid-Layer 2 w0.254: v2@53.069,64.626 58.334,69.891 97.62,69.891 98.372,70.644 112.051,70.644 114.421,68.274 137.524,68.274 137.974,67.824 v2(141.684,67.824)
CAN1_RX_ISO: IC1.12 IC2.4 | length 5.7
  Top Layer w0.508: IC1.12@149.485,67.844 151.376,67.844 152.671,69.139 IC2.4@154.65,69.139
CAN1_TX: IC1.4 R50.2A | length 97.2
  Top Layer w0.381: R50.2A@50.063,64.95 52.107,64.95 v2(52.394,65.237)
  Top Layer w0.508: IC1.4@139.785,69.094 v2(141.814,69.094)
  Mid-Layer 2 w0.254: v2@52.416,65.259 52.965,65.259 58.118,70.412 97.404,70.412 98.157,71.164 112.267,71.164 114.337,69.094 v2(141.814,69.094)
  Mid-Layer 2 w0.381: v2(52.394,65.237) v2@52.416,65.259
CAN1_TX_ISO: IC1.13 IC2.1 | length 8
  Top Layer w0.508: IC1.13@149.485,69.114 151.243,69.114 152.302,70.172 152.302,72.3 152.951,72.949 IC2.1@154.65,72.949
CAN2_H: IC4.7 P4.2 | length 12.5
  Top Layer w0.508: v2(126.735,82.033) 126.735,80.204 128.7,78.239 131.8,78.239 133.649,76.39 P4.2@134.112,76.39
  Bottom Layer w0.508: IC4.7@126.245,80.536 126.245,81.543 v2(126.735,82.033)
CAN2_L: IC4.6 P4.3 | length 12.4
  Top Layer w0.508: v2(126.127,82.917) 126.988,82.917 127.567,82.338 127.567,80.4 128.998,78.969 132.803,78.969 P4.3@132.842,78.93
  Bottom Layer w0.508: IC4.6@124.975,80.536 124.975,81.765 v2(126.127,82.917)
CAN2_RX: IC3.5 R51.1A | length 77.5
  Top Layer w0.305: R51.1A@64.756,66.141 v2@64.756,67.136
  Top Layer w0.381: v2@64.756,67.136 v2(64.84,67.22)
  Mid-Layer 2 w0.254: v2@64.955,67.22 65.484,67.749 79.429,67.749 80.415,68.735 101.476,68.735 102.216,69.475 111.672,69.475 114.545,66.603 v2(137.282,66.603)
  Mid-Layer 2 w0.381: v2(64.84,67.22) v2@64.955,67.22
  Bottom Layer w0.381: IC3.5@135.563,66.31 136.989,66.31 v2(137.282,66.603)
CAN2_RX_ISO: IC3.12 IC4.4 | length 10.8
  Bottom Layer w0.508: IC4.4@123.705,75.136 123.705,74.228 123.413,73.936 123.413,67.232 124.316,66.33 IC3.12@125.863,66.33
CAN2_TX: IC3.4 R51.1B | length 78.4
  Top Layer w0.305: R51.1B@63.956,66.141 v2@63.956,67.343
  Top Layer w0.381: v2@63.956,67.343 v2(64.011,67.398)
  Mid-Layer 2 w0.254: v2@64.011,67.626 64.804,68.419 77.698,68.419 78.65,69.37 98.91,69.37 99.604,70.063 111.895,70.063 114.378,67.58 v2(137.237,67.58)
  Mid-Layer 2 w0.381: v2(64.011,67.398) v2@64.011,67.626
  Bottom Layer w0.381: IC3.4@135.563,67.58 v2(137.237,67.58)
CAN2_TX_ISO: IC3.13 IC4.1 | length 14.3
  Bottom Layer w0.508: IC3.13@125.863,67.6 130.157,67.6 131.132,68.575 131.132,72.552 128.549,75.136 IC4.1@127.515,75.136